# KiCad board Eclipse65.kicad_pcb (continued)
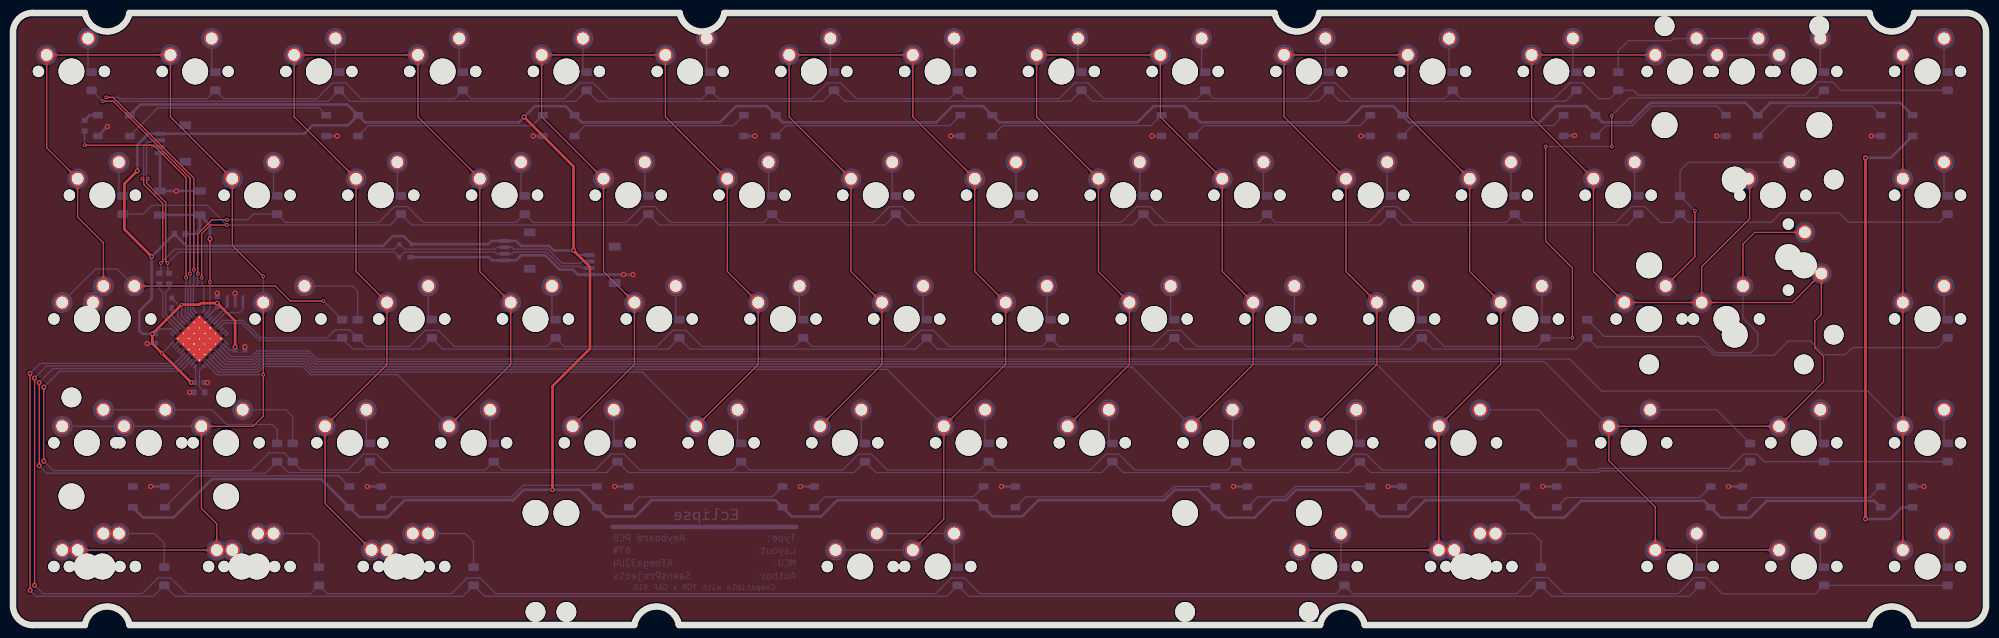
[diagram p0: board, top side]
## Copper pours and planes (outline as drawn; the poured copper is in the pictures) (continued)
C2 on Top: 106.82,32.35 106.75,32.28 106.68,32.22 106.61,32.16 106.54,32.11 106.48,32.07 106.41,32.03 106.35,32 106.29,31.97 106.23,31.94 106.17,31.93 106.11,31.91 106.05,31.9 105.99,31.89 105.93,31.88 105.36,31.84 105.29,31.84 105.21,31.83 105.14,31.81 105.06,31.8 104.98,31.78 104.9,31.75 104.81,31.72 104.78,30.17 106.34,30.2 106.36,30.28 106.39,30.37 106.41,30.45 106.42,30.53 106.44,30.6 106.45,30.67 106.46,30.75 106.49,31.32 106.5,31.37 106.51,31.43 106.52,31.49 106.54,31.55 106.56,31.61 106.58,31.67 106.61,31.74 106.64,31.8 106.68,31.86 106.72,31.93 106.77,32 106.83,32.06 106.89,32.14 106.96,32.21
C2 on Top: 95.78,47.25 95.78,47.35 95.78,47.45 95.79,47.54 95.81,47.62 95.82,47.7 95.84,47.77 95.86,47.84 95.89,47.9 95.91,47.96 95.94,48.01 95.97,48.07 96,48.12 96.04,48.17 96.08,48.22 96.45,48.64 96.5,48.7 96.54,48.76 96.59,48.82 96.63,48.89 96.67,48.96 96.72,49.04 96.76,49.12 95.68,50.24 94.6,49.12 94.64,49.04 94.68,48.96 94.72,48.89 94.77,48.82 94.81,48.76 94.86,48.7 94.9,48.64 95.28,48.22 95.32,48.17 95.35,48.12 95.38,48.07 95.41,48.01 95.44,47.96 95.47,47.9 95.49,47.84 95.51,47.77 95.53,47.7 95.55,47.62 95.56,47.54 95.57,47.45 95.58,47.35 95.58,47.25
C2 on Top: 87.77,32.35 87.7,32.28 87.63,32.22 87.56,32.16 87.49,32.11 87.43,32.07 87.36,32.03 87.3,32 87.24,31.97 87.18,31.94 87.12,31.93 87.06,31.91 87,31.9 86.94,31.89 86.88,31.88 86.31,31.84 86.24,31.84 86.16,31.83 86.09,31.81 86.01,31.8 85.93,31.78 85.85,31.75 85.76,31.72 85.73,30.17 87.29,30.2 87.31,30.28 87.34,30.37 87.36,30.45 87.37,30.53 87.39,30.6 87.4,30.67 87.41,30.75 87.44,31.32 87.45,31.37 87.46,31.43 87.47,31.49 87.49,31.55 87.51,31.61 87.53,31.67 87.56,31.74 87.59,31.8 87.63,31.86 87.67,31.93 87.72,32 87.78,32.06 87.84,32.14 87.91,32.21
C2 on Top: 91.02,66.3 91.02,66.4 91.02,66.5 91.03,66.59 91.04,66.67 91.06,66.75 91.08,66.82 91.1,66.89 91.12,66.95 91.15,67.01 91.18,67.06 91.21,67.12 91.24,67.17 91.28,67.22 91.31,67.27 91.69,67.69 91.74,67.75 91.78,67.81 91.82,67.87 91.87,67.94 91.91,68.01 91.95,68.09 92,68.17 90.92,69.29 89.84,68.17 89.88,68.09 89.92,68.01 89.96,67.94 90.01,67.87 90.05,67.81 90.09,67.75 90.14,67.69 90.52,67.27 90.55,67.22 90.59,67.17 90.62,67.12 90.65,67.06 90.68,67.01 90.71,66.95 90.73,66.89 90.75,66.82 90.77,66.75 90.79,66.67 90.8,66.59 90.81,66.5 90.81,66.4 90.82,66.3
C2 on Top: 93.92,51.26 93.99,51.19 94.05,51.11 94.11,51.05 94.16,50.98 94.2,50.91 94.24,50.85 94.27,50.79 94.3,50.72 94.32,50.66 94.34,50.6 94.36,50.54 94.37,50.48 94.38,50.42 94.39,50.37 94.42,49.8 94.43,49.72 94.44,49.65 94.46,49.58 94.47,49.5 94.49,49.42 94.52,49.33 94.54,49.25 96.1,49.22 96.07,50.77 95.98,50.8 95.9,50.83 95.82,50.85 95.74,50.86 95.67,50.88 95.59,50.89 95.52,50.89 94.95,50.93 94.89,50.94 94.83,50.95 94.77,50.96 94.71,50.98 94.65,50.99 94.59,51.02 94.53,51.05 94.47,51.08 94.4,51.12 94.34,51.16 94.27,51.21 94.2,51.27 94.13,51.33 94.06,51.4
C2 on Top: 100.54,85.35 100.54,85.45 100.55,85.55 100.56,85.64 100.57,85.72 100.58,85.8 100.6,85.87 100.62,85.94 100.65,86 100.67,86.06 100.7,86.11 100.73,86.17 100.77,86.22 100.8,86.27 100.84,86.32 101.22,86.74 101.26,86.8 101.31,86.86 101.35,86.92 101.39,86.99 101.44,87.06 101.48,87.14 101.52,87.22 100.44,88.34 99.36,87.22 99.4,87.14 99.44,87.06 99.49,86.99 99.53,86.92 99.57,86.86 99.62,86.8 99.66,86.74 100.04,86.32 100.08,86.27 100.11,86.22 100.15,86.17 100.18,86.11 100.21,86.06 100.23,86 100.26,85.94 100.28,85.87 100.3,85.8 100.31,85.72 100.32,85.64 100.33,85.55 100.34,85.45 100.34,85.35
C2 on Top: 108.2,70.31 108.28,70.24 108.34,70.16 108.39,70.1 108.44,70.03 108.49,69.96 108.53,69.9 108.56,69.84 108.59,69.77 108.61,69.71 108.63,69.65 108.65,69.59 108.66,69.53 108.67,69.47 108.68,69.42 108.71,68.85 108.72,68.77 108.73,68.7 108.74,68.63 108.76,68.55 108.78,68.47 108.8,68.38 108.83,68.3 110.39,68.27 110.36,69.82 110.27,69.85 110.19,69.88 110.11,69.9 110.03,69.91 109.95,69.93 109.88,69.94 109.81,69.94 109.24,69.98 109.18,69.99 109.12,70 109.06,70.01 109,70.03 108.94,70.04 108.88,70.07 108.82,70.1 108.76,70.13 108.69,70.17 108.63,70.21 108.56,70.26 108.49,70.32 108.42,70.38 108.35,70.45
C2 on Top: 81.49,85.35 81.49,85.45 81.5,85.55 81.51,85.64 81.52,85.72 81.53,85.8 81.55,85.87 81.57,85.94 81.6,86 81.62,86.06 81.65,86.11 81.68,86.17 81.72,86.22 81.75,86.27 81.79,86.32 82.17,86.74 82.21,86.8 82.26,86.86 82.3,86.92 82.34,86.99 82.39,87.06 82.43,87.14 82.47,87.22 81.39,88.34 80.31,87.22 80.35,87.14 80.39,87.06 80.44,86.99 80.48,86.92 80.52,86.86 80.57,86.8 80.61,86.74 80.99,86.32 81.03,86.27 81.06,86.22 81.1,86.17 81.13,86.11 81.16,86.06 81.18,86 81.21,85.94 81.23,85.87 81.25,85.8 81.26,85.72 81.27,85.64 81.28,85.55 81.29,85.45 81.29,85.35
C2 on Top: 89.15,70.31 89.23,70.24 89.29,70.16 89.34,70.1 89.39,70.03 89.44,69.96 89.48,69.9 89.51,69.84 89.54,69.77 89.56,69.71 89.58,69.65 89.6,69.59 89.61,69.53 89.62,69.47 89.63,69.42 89.66,68.85 89.67,68.77 89.68,68.7 89.69,68.63 89.71,68.55 89.73,68.47 89.75,68.38 89.78,68.3 91.34,68.27 91.31,69.82 91.22,69.85 91.14,69.88 91.06,69.9 90.98,69.91 90.9,69.93 90.83,69.94 90.76,69.94 90.19,69.98 90.13,69.99 90.07,70 90.01,70.01 89.95,70.03 89.89,70.04 89.83,70.07 89.77,70.1 89.71,70.13 89.64,70.17 89.58,70.21 89.51,70.26 89.44,70.32 89.37,70.38 89.3,70.45
C2 on Top: 110.07,66.3 110.07,66.4 110.07,66.5 110.08,66.59 110.09,66.67 110.11,66.75 110.13,66.82 110.15,66.89 110.17,66.95 110.2,67.01 110.23,67.06 110.26,67.12 110.29,67.17 110.33,67.22 110.36,67.27 110.74,67.69 110.79,67.75 110.83,67.81 110.87,67.87 110.92,67.94 110.96,68.01 111,68.09 111.05,68.17 109.97,69.29 108.89,68.17 108.93,68.09 108.97,68.01 109.01,67.94 109.06,67.87 109.1,67.81 109.14,67.75 109.19,67.69 109.57,67.27 109.6,67.22 109.64,67.17 109.67,67.12 109.7,67.06 109.73,67.01 109.76,66.95 109.78,66.89 109.8,66.82 109.82,66.75 109.84,66.67 109.85,66.59 109.86,66.5 109.86,66.4 109.87,66.3
C2 on Top: 112.97,51.26 113.04,51.19 113.1,51.11 113.16,51.05 113.21,50.98 113.25,50.91 113.29,50.85 113.32,50.79 113.35,50.72 113.37,50.66 113.39,50.6 113.41,50.54 113.42,50.48 113.43,50.42 113.44,50.37 113.47,49.8 113.48,49.72 113.49,49.65 113.51,49.58 113.52,49.5 113.54,49.42 113.57,49.33 113.59,49.25 115.15,49.22 115.12,50.77 115.03,50.8 114.95,50.83 114.87,50.85 114.79,50.86 114.72,50.88 114.64,50.89 114.57,50.89 114,50.93 113.94,50.94 113.88,50.95 113.82,50.96 113.76,50.98 113.7,50.99 113.64,51.02 113.58,51.05 113.52,51.08 113.45,51.12 113.39,51.16 113.32,51.21 113.25,51.27 113.18,51.33 113.11,51.4
C2 on Top: 83.78,87.84 83.68,87.84 83.58,87.85 83.49,87.86 83.41,87.87 83.33,87.88 83.26,87.9 83.19,87.92 83.13,87.95 83.07,87.97 83.02,88 82.96,88.03 82.91,88.07 82.86,88.1 82.81,88.14 82.39,88.52 82.33,88.56 82.27,88.61 82.21,88.65 82.14,88.69 82.07,88.74 81.99,88.78 81.91,88.82 80.79,87.74 81.91,86.66 81.99,86.7 82.07,86.74 82.14,86.79 82.21,86.83 82.27,86.87 82.33,86.92 82.39,86.96 82.81,87.34 82.86,87.38 82.91,87.41 82.96,87.45 83.02,87.48 83.07,87.51 83.13,87.53 83.19,87.56 83.26,87.58 83.33,87.6 83.41,87.61 83.49,87.62 83.58,87.63 83.68,87.64 83.78,87.64
C2 on Top: 98.05,87.64 98.15,87.64 98.25,87.63 98.34,87.62 98.42,87.61 98.5,87.6 98.57,87.58 98.64,87.56 98.7,87.53 98.76,87.51 98.81,87.48 98.87,87.45 98.92,87.41 98.97,87.38 99.02,87.34 99.44,86.96 99.5,86.92 99.56,86.87 99.62,86.83 99.69,86.79 99.76,86.74 99.84,86.7 99.92,86.66 101.04,87.74 99.92,88.82 99.84,88.78 99.76,88.74 99.69,88.69 99.62,88.65 99.56,88.61 99.5,88.56 99.44,88.52 99.02,88.14 98.97,88.1 98.92,88.07 98.87,88.03 98.81,88 98.76,87.97 98.7,87.95 98.64,87.92 98.57,87.9 98.5,87.88 98.42,87.87 98.34,87.86 98.25,87.85 98.15,87.84 98.05,87.84
C2 on Bottom: 103.44,32.21 103.51,32.14 103.58,32.06 103.63,32 103.68,31.93 103.73,31.86 103.76,31.8 103.8,31.74 103.82,31.67 103.85,31.61 103.87,31.55 103.88,31.49 103.9,31.43 103.91,31.37 103.91,31.32 103.95,30.75 103.96,30.67 103.97,30.6 103.98,30.53 104,30.45 104.02,30.37 104.04,30.28 104.07,30.2 105.63,30.17 105.6,31.72 105.51,31.75 105.43,31.78 105.34,31.8 105.27,31.81 105.19,31.83 105.12,31.84 105.05,31.84 104.48,31.88 104.42,31.89 104.36,31.9 104.3,31.91 104.24,31.93 104.18,31.94 104.12,31.97 104.06,32 103.99,32.03 103.93,32.07 103.86,32.11 103.8,32.16 103.73,32.22 103.66,32.28 103.58,32.35
C2 on Bottom: 102.88,32.77 102.97,32.68 103.06,32.58 103.13,32.49 103.2,32.4 103.26,32.31 103.31,32.22 103.35,32.14 103.38,32.06 103.41,31.97 103.44,31.89 103.46,31.81 103.48,31.73 103.49,31.65 103.5,31.57 103.5,31.49 103.51,31.41 103.52,30.99 103.53,30.9 103.53,30.8 103.54,30.71 103.56,30.61 103.57,30.51 103.59,30.4 103.62,30.3 103.65,30.18 103.69,30.06 105.77,30.02 105.73,32.1 105.61,32.14 105.5,32.17 105.39,32.2 105.28,32.22 105.18,32.24 105.08,32.25 104.99,32.26 104.9,32.27 104.8,32.27 104.38,32.28 104.3,32.29 104.22,32.3 104.14,32.3 104.06,32.32 103.98,32.33 103.9,32.35 103.82,32.38 103.74,32.41 103.65,32.44 103.57,32.49 103.48,32.54 103.39,32.6 103.3,32.66 103.21,32.74 103.12,32.82 103.02,32.92
C3 on Top: 143.4,28.2 143.4,28.3 143.41,28.4 143.42,28.49 143.43,28.57 143.45,28.65 143.47,28.72 143.49,28.79 143.51,28.85 143.54,28.91 143.57,28.96 143.6,29.02 143.63,29.07 143.66,29.12 143.7,29.17 144.08,29.59 144.12,29.65 144.17,29.71 144.21,29.77 144.26,29.84 144.3,29.91 144.34,29.99 144.38,30.07 143.3,31.19 142.22,30.07 142.26,29.99 142.31,29.91 142.35,29.84 142.39,29.77 142.44,29.71 142.48,29.65 142.53,29.59 142.9,29.17 142.94,29.12 142.98,29.07 143.01,29.02 143.04,28.96 143.07,28.91 143.09,28.85 143.12,28.79 143.14,28.72 143.16,28.65 143.17,28.57 143.19,28.49 143.2,28.4 143.2,28.3 143.2,28.2
C3 on Top: 140.16,13.3 140.09,13.23 140.01,13.17 139.95,13.11 139.88,13.06 139.81,13.02 139.75,12.98 139.69,12.95 139.62,12.92 139.56,12.89 139.5,12.88 139.44,12.86 139.38,12.85 139.32,12.84 139.27,12.83 138.7,12.79 138.62,12.79 138.55,12.78 138.48,12.76 138.4,12.75 138.32,12.73 138.23,12.7 138.15,12.67 138.12,11.12 139.67,11.15 139.7,11.23 139.73,11.32 139.75,11.4 139.76,11.48 139.78,11.55 139.79,11.62 139.79,11.7 139.83,12.27 139.84,12.32 139.85,12.38 139.86,12.44 139.88,12.5 139.89,12.56 139.92,12.62 139.95,12.69 139.98,12.75 140.02,12.81 140.06,12.88 140.11,12.95 140.17,13.01 140.23,13.09 140.3,13.16
C3 on Top: 152.93,47.25 152.93,47.35 152.93,47.45 152.94,47.54 152.96,47.62 152.97,47.7 152.99,47.77 153.01,47.84 153.04,47.9 153.06,47.96 153.09,48.01 153.12,48.07 153.15,48.12 153.19,48.17 153.23,48.22 153.6,48.64 153.65,48.7 153.69,48.76 153.74,48.82 153.78,48.89 153.82,48.96 153.87,49.04 153.91,49.12 152.83,50.24 151.75,49.12 151.79,49.04 151.83,48.96 151.87,48.89 151.92,48.82 151.96,48.76 152.01,48.7 152.05,48.64 152.43,48.22 152.47,48.17 152.5,48.12 152.53,48.07 152.56,48.01 152.59,47.96 152.62,47.9 152.64,47.84 152.66,47.77 152.68,47.7 152.7,47.62 152.71,47.54 152.72,47.45 152.73,47.35 152.73,47.25
C3 on Top: 144.92,32.35 144.85,32.28 144.78,32.22 144.71,32.16 144.64,32.11 144.58,32.07 144.51,32.03 144.45,32 144.39,31.97 144.33,31.94 144.27,31.93 144.21,31.91 144.15,31.9 144.09,31.89 144.03,31.88 143.46,31.84 143.39,31.84 143.31,31.83 143.24,31.81 143.16,31.8 143.08,31.78 143,31.75 142.91,31.72 142.88,30.17 144.44,30.2 144.46,30.28 144.49,30.37 144.51,30.45 144.52,30.53 144.54,30.6 144.55,30.67 144.56,30.75 144.59,31.32 144.6,31.37 144.61,31.43 144.62,31.49 144.64,31.55 144.66,31.61 144.68,31.67 144.71,31.74 144.74,31.8 144.78,31.86 144.82,31.93 144.87,32 144.93,32.06 144.99,32.14 145.06,32.21
C3 on Top: 133.88,47.25 133.88,47.35 133.88,47.45 133.89,47.54 133.91,47.62 133.92,47.7 133.94,47.77 133.96,47.84 133.99,47.9 134.01,47.96 134.04,48.01 134.07,48.07 134.1,48.12 134.14,48.17 134.18,48.22 134.55,48.64 134.6,48.7 134.64,48.76 134.69,48.82 134.73,48.89 134.77,48.96 134.82,49.04 134.86,49.12 133.78,50.24 132.7,49.12 132.74,49.04 132.78,48.96 132.82,48.89 132.87,48.82 132.91,48.76 132.96,48.7 133,48.64 133.38,48.22 133.42,48.17 133.45,48.12 133.48,48.07 133.51,48.01 133.54,47.96 133.57,47.9 133.59,47.84 133.61,47.77 133.63,47.7 133.65,47.62 133.66,47.54 133.67,47.45 133.68,47.35 133.68,47.25
C3 on Top: 125.87,32.35 125.8,32.28 125.73,32.22 125.66,32.16 125.59,32.11 125.53,32.07 125.46,32.03 125.4,32 125.34,31.97 125.28,31.94 125.22,31.93 125.16,31.91 125.1,31.9 125.04,31.89 124.98,31.88 124.41,31.84 124.34,31.84 124.26,31.83 124.19,31.81 124.11,31.8 124.03,31.78 123.95,31.75 123.86,31.72 123.83,30.17 125.39,30.2 125.41,30.28 125.44,30.37 125.46,30.45 125.47,30.53 125.49,30.6 125.5,30.67 125.51,30.75 125.54,31.32 125.55,31.37 125.56,31.43 125.57,31.49 125.59,31.55 125.61,31.61 125.63,31.67 125.66,31.74 125.69,31.8 125.73,31.86 125.77,31.93 125.82,32 125.88,32.06 125.94,32.14 126.01,32.21
C3 on Top: 129.12,66.3 129.12,66.4 129.12,66.5 129.13,66.59 129.14,66.67 129.16,66.75 129.18,66.82 129.2,66.89 129.22,66.95 129.25,67.01 129.28,67.06 129.31,67.12 129.34,67.17 129.38,67.22 129.41,67.27 129.79,67.69 129.84,67.75 129.88,67.81 129.92,67.87 129.97,67.94 130.01,68.01 130.05,68.09 130.1,68.17 129.02,69.29 127.94,68.17 127.98,68.09 128.02,68.01 128.06,67.94 128.11,67.87 128.15,67.81 128.19,67.75 128.24,67.69 128.62,67.27 128.65,67.22 128.69,67.17 128.72,67.12 128.75,67.06 128.78,67.01 128.81,66.95 128.83,66.89 128.85,66.82 128.87,66.75 128.89,66.67 128.9,66.59 128.91,66.5 128.91,66.4 128.92,66.3
C3 on Top: 132.02,51.26 132.09,51.19 132.15,51.11 132.21,51.05 132.26,50.98 132.3,50.91 132.34,50.85 132.37,50.79 132.4,50.72 132.42,50.66 132.44,50.6 132.46,50.54 132.47,50.48 132.48,50.42 132.49,50.37 132.52,49.8 132.53,49.72 132.54,49.65 132.56,49.58 132.57,49.5 132.59,49.42 132.62,49.33 132.64,49.25 134.2,49.22 134.17,50.77 134.08,50.8 134,50.83 133.92,50.85 133.84,50.86 133.77,50.88 133.69,50.89 133.62,50.89 133.05,50.93 132.99,50.94 132.93,50.95 132.87,50.96 132.81,50.98 132.75,50.99 132.69,51.02 132.63,51.05 132.57,51.08 132.5,51.12 132.44,51.16 132.37,51.21 132.3,51.27 132.23,51.33 132.16,51.4
C3 on Top: 119.59,85.35 119.59,85.45 119.6,85.55 119.61,85.64 119.62,85.72 119.63,85.8 119.65,85.87 119.67,85.94 119.7,86 119.72,86.06 119.75,86.11 119.78,86.17 119.82,86.22 119.85,86.27 119.89,86.32 120.27,86.74 120.31,86.8 120.36,86.86 120.4,86.92 120.44,86.99 120.49,87.06 120.53,87.14 120.57,87.22 119.49,88.34 118.41,87.22 118.45,87.14 118.49,87.06 118.54,86.99 118.58,86.92 118.62,86.86 118.67,86.8 118.71,86.74 119.09,86.32 119.13,86.27 119.16,86.22 119.2,86.17 119.23,86.11 119.26,86.06 119.28,86 119.31,85.94 119.33,85.87 119.35,85.8 119.36,85.72 119.37,85.64 119.38,85.55 119.39,85.45 119.39,85.35
C3 on Top: 127.25,70.31 127.33,70.24 127.39,70.16 127.44,70.1 127.49,70.03 127.54,69.96 127.58,69.9 127.61,69.84 127.64,69.77 127.66,69.71 127.68,69.65 127.7,69.59 127.71,69.53 127.72,69.47 127.73,69.42 127.76,68.85 127.77,68.77 127.78,68.7 127.79,68.63 127.81,68.55 127.83,68.47 127.85,68.38 127.88,68.3 129.44,68.27 129.41,69.82 129.32,69.85 129.24,69.88 129.16,69.9 129.08,69.91 129,69.93 128.93,69.94 128.86,69.94 128.29,69.98 128.23,69.99 128.17,70 128.11,70.01 128.05,70.03 127.99,70.04 127.93,70.07 127.87,70.1 127.81,70.13 127.74,70.17 127.68,70.21 127.61,70.26 127.54,70.32 127.47,70.38 127.4,70.45
C3 on Top: 138.64,85.35 138.64,85.45 138.65,85.55 138.66,85.64 138.67,85.72 138.68,85.8 138.7,85.87 138.72,85.94 138.75,86 138.77,86.06 138.8,86.11 138.83,86.17 138.87,86.22 138.9,86.27 138.94,86.32 139.32,86.74 139.36,86.8 139.41,86.86 139.45,86.92 139.49,86.99 139.54,87.06 139.58,87.14 139.62,87.22 138.54,88.34 137.46,87.22 137.5,87.14 137.54,87.06 137.59,86.99 137.63,86.92 137.67,86.86 137.72,86.8 137.76,86.74 138.14,86.32 138.18,86.27 138.21,86.22 138.25,86.17 138.28,86.11 138.31,86.06 138.33,86 138.36,85.94 138.38,85.87 138.4,85.8 138.41,85.72 138.42,85.64 138.43,85.55 138.44,85.45 138.44,85.35
C3 on Top: 146.3,70.31 146.38,70.24 146.44,70.16 146.49,70.1 146.54,70.03 146.59,69.96 146.63,69.9 146.66,69.84 146.69,69.77 146.71,69.71 146.73,69.65 146.75,69.59 146.76,69.53 146.77,69.47 146.78,69.42 146.81,68.85 146.82,68.77 146.83,68.7 146.84,68.63 146.86,68.55 146.88,68.47 146.9,68.38 146.93,68.3 148.49,68.27 148.46,69.82 148.37,69.85 148.29,69.88 148.21,69.9 148.13,69.91 148.05,69.93 147.98,69.94 147.91,69.94 147.34,69.98 147.28,69.99 147.22,70 147.16,70.01 147.1,70.03 147.04,70.04 146.98,70.07 146.92,70.1 146.86,70.13 146.79,70.17 146.73,70.21 146.66,70.26 146.59,70.32 146.52,70.38 146.45,70.45
C3 on Top: 148.17,66.3 148.17,66.4 148.17,66.5 148.18,66.59 148.19,66.67 148.21,66.75 148.23,66.82 148.25,66.89 148.27,66.95 148.3,67.01 148.33,67.06 148.36,67.12 148.39,67.17 148.43,67.22 148.46,67.27 148.84,67.69 148.89,67.75 148.93,67.81 148.97,67.87 149.02,67.94 149.06,68.01 149.1,68.09 149.15,68.17 148.07,69.29 146.99,68.17 147.03,68.09 147.07,68.01 147.11,67.94 147.16,67.87 147.2,67.81 147.24,67.75 147.29,67.69 147.67,67.27 147.7,67.22 147.74,67.17 147.77,67.12 147.8,67.06 147.83,67.01 147.86,66.95 147.88,66.89 147.9,66.82 147.92,66.75 147.94,66.67 147.95,66.59 147.96,66.5 147.96,66.4 147.97,66.3
C3 on Top: 151.07,51.26 151.14,51.19 151.2,51.11 151.26,51.05 151.31,50.98 151.35,50.91 151.39,50.85 151.42,50.79 151.45,50.72 151.47,50.66 151.49,50.6 151.51,50.54 151.52,50.48 151.53,50.42 151.54,50.37 151.57,49.8 151.58,49.72 151.59,49.65 151.61,49.58 151.62,49.5 151.64,49.42 151.67,49.33 151.69,49.25 153.25,49.22 153.22,50.77 153.13,50.8 153.05,50.83 152.97,50.85 152.89,50.86 152.82,50.88 152.74,50.89 152.67,50.89 152.1,50.93 152.04,50.94 151.98,50.95 151.92,50.96 151.86,50.98 151.8,50.99 151.74,51.02 151.68,51.05 151.62,51.08 151.55,51.12 151.49,51.16 151.42,51.21 151.35,51.27 151.28,51.33 151.21,51.4
C3 on Top: 121.88,87.84 121.78,87.84 121.68,87.85 121.59,87.86 121.51,87.87 121.43,87.88 121.36,87.9 121.29,87.92 121.23,87.95 121.17,87.97 121.12,88 121.06,88.03 121.01,88.07 120.96,88.1 120.91,88.14 120.49,88.52 120.43,88.56 120.37,88.61 120.31,88.65 120.24,88.69 120.17,88.74 120.09,88.78 120.01,88.82 118.89,87.74 120.01,86.66 120.09,86.7 120.17,86.74 120.24,86.79 120.31,86.83 120.37,86.87 120.43,86.92 120.49,86.96 120.91,87.34 120.96,87.38 121.01,87.41 121.06,87.45 121.12,87.48 121.17,87.51 121.23,87.53 121.29,87.56 121.36,87.58 121.43,87.6 121.51,87.61 121.59,87.62 121.68,87.63 121.78,87.64 121.88,87.64
C3 on Top: 136.15,87.64 136.25,87.64 136.35,87.63 136.44,87.62 136.52,87.61 136.6,87.6 136.67,87.58 136.74,87.56 136.8,87.53 136.86,87.51 136.91,87.48 136.97,87.45 137.02,87.41 137.07,87.38 137.12,87.34 137.54,86.96 137.6,86.92 137.66,86.87 137.72,86.83 137.79,86.79 137.86,86.74 137.94,86.7 138.02,86.66 139.14,87.74 138.02,88.82 137.94,88.78 137.86,88.74 137.79,88.69 137.72,88.65 137.66,88.61 137.6,88.56 137.54,88.52 137.12,88.14 137.07,88.1 137.02,88.07 136.97,88.03 136.91,88 136.86,87.97 136.8,87.95 136.74,87.92 136.67,87.9 136.6,87.88 136.52,87.87 136.44,87.86 136.35,87.85 136.25,87.84 136.15,87.84
C3 on Bottom: 129.02,11.64 128.92,11.64 128.83,11.65 128.74,11.66 128.66,11.67 128.58,11.68 128.51,11.7 128.44,11.72 128.37,11.75 128.32,11.77 128.26,11.8 128.21,11.83 128.15,11.87 128.11,11.9 128.06,11.94 127.63,12.32 127.57,12.36 127.52,12.41 127.45,12.45 127.39,12.49 127.31,12.54 127.24,12.58 127.16,12.62 126.03,11.54 127.16,10.46 127.24,10.5 127.31,10.54 127.39,10.59 127.45,10.63 127.52,10.67 127.57,10.72 127.63,10.76 128.06,11.14 128.11,11.18 128.15,11.21 128.21,11.25 128.26,11.28 128.32,11.31 128.37,11.33 128.44,11.36 128.51,11.38 128.58,11.4 128.66,11.41 128.74,11.42 128.83,11.43 128.92,11.44 129.02,11.44
C3 on Bottom: 129.82,11.64 129.69,11.64 129.56,11.65 129.44,11.66 129.33,11.68 129.23,11.7 129.13,11.73 129.04,11.76 128.96,11.79 128.88,11.83 128.8,11.86 128.73,11.91 128.66,11.95 128.6,12 128.53,12.05 128.47,12.1 128.41,12.16 128.1,12.45 128.04,12.51 127.97,12.57 127.89,12.63 127.81,12.69 127.73,12.75 127.64,12.81 127.54,12.87 127.44,12.92 127.33,12.98 125.83,11.54 127.33,10.1 127.44,10.16 127.54,10.21 127.64,10.27 127.73,10.33 127.81,10.39 127.89,10.45 127.97,10.51 128.04,10.57 128.1,10.63 128.41,10.92 128.47,10.98 128.53,11.03 128.6,11.08 128.66,11.13 128.73,11.17 128.8,11.22 128.88,11.25 128.96,11.29 129.04,11.32 129.13,11.35 129.23,11.38 129.33,11.4 129.44,11.42 129.56,11.43 129.69,11.44 129.82,11.44
C3 on Bottom: 136.15,11.44 136.25,11.44 136.35,11.43 136.44,11.42 136.52,11.41 136.6,11.4 136.67,11.38 136.74,11.36 136.8,11.33 136.86,11.31 136.91,11.28 136.97,11.25 137.02,11.21 137.07,11.18 137.12,11.14 137.54,10.76 137.6,10.72 137.66,10.67 137.72,10.63 137.79,10.59 137.86,10.54 137.94,10.5 138.02,10.46 139.14,11.54 138.02,12.62 137.94,12.58 137.86,12.54 137.79,12.49 137.72,12.45 137.66,12.41 137.6,12.36 137.54,12.32 137.12,11.94 137.07,11.9 137.02,11.87 136.97,11.83 136.91,11.8 136.86,11.77 136.8,11.75 136.74,11.72 136.67,11.7 136.6,11.68 136.52,11.67 136.44,11.66 136.35,11.65 136.25,11.64 136.15,11.64
C3 on Bottom: 135.35,11.44 135.49,11.44 135.61,11.43 135.73,11.42 135.84,11.4 135.95,11.38 136.04,11.35 136.13,11.32 136.22,11.29 136.3,11.25 136.37,11.22 136.44,11.17 136.51,11.13 136.58,11.08 136.64,11.03 136.7,10.98 136.76,10.92 137.07,10.63 137.14,10.57 137.21,10.51 137.28,10.45 137.36,10.39 137.45,10.33 137.53,10.27 137.63,10.21 137.73,10.16 137.84,10.1 139.34,11.54 137.84,12.98 137.73,12.92 137.63,12.87 137.53,12.81 137.45,12.75 137.36,12.69 137.28,12.63 137.21,12.57 137.14,12.51 137.07,12.45 136.76,12.16 136.7,12.1 136.64,12.05 136.58,12 136.51,11.95 136.44,11.91 136.37,11.86 136.3,11.83 136.22,11.79 136.13,11.76 136.04,11.73 135.95,11.7 135.84,11.68 135.73,11.66 135.61,11.65 135.49,11.64 135.35,11.64
C3 on Bottom: 141.54,32.21 141.61,32.14 141.68,32.06 141.73,32 141.78,31.93 141.83,31.86 141.86,31.8 141.9,31.74 141.92,31.67 141.95,31.61 141.97,31.55 141.98,31.49 142,31.43 142.01,31.37 142.01,31.32 142.05,30.75 142.06,30.67 142.07,30.6 142.08,30.53 142.1,30.45 142.12,30.37 142.14,30.28 142.17,30.2 143.73,30.17 143.7,31.72 143.61,31.75 143.53,31.78 143.44,31.8 143.37,31.81 143.29,31.83 143.22,31.84 143.15,31.84 142.58,31.88 142.52,31.89 142.46,31.9 142.4,31.91 142.34,31.93 142.28,31.94 142.22,31.97 142.16,32 142.09,32.03 142.03,32.07 141.96,32.11 141.9,32.16 141.83,32.22 141.76,32.28 141.68,32.35
C3 on Bottom: 140.98,32.77 141.07,32.68 141.16,32.58 141.23,32.49 141.3,32.4 141.36,32.31 141.41,32.22 141.45,32.14 141.48,32.06 141.51,31.97 141.54,31.89 141.56,31.81 141.58,31.73 141.59,31.65 141.6,31.57 141.6,31.49 141.61,31.41 141.62,30.99 141.63,30.9 141.63,30.8 141.64,30.71 141.66,30.61 141.67,30.51 141.69,30.4 141.72,30.3 141.75,30.18 141.79,30.06 143.87,30.02 143.83,32.1 143.71,32.14 143.6,32.17 143.49,32.2 143.38,32.22 143.28,32.24 143.18,32.25 143.09,32.26 143,32.27 142.9,32.27 142.48,32.28 142.4,32.29 142.32,32.3 142.24,32.3 142.16,32.32 142.08,32.33 142,32.35 141.92,32.38 141.84,32.41 141.75,32.44 141.67,32.49 141.58,32.54 141.49,32.6 141.4,32.66 141.31,32.74 141.22,32.82 141.12,32.92
C4 on Top: 167.22,66.3 167.22,66.4 167.22,66.5 167.23,66.59 167.24,66.67 167.26,66.75 167.28,66.82 167.3,66.89 167.32,66.95 167.35,67.01 167.38,67.06 167.41,67.12 167.44,67.17 167.48,67.22 167.51,67.27 167.89,67.69 167.94,67.75 167.98,67.81 168.02,67.87 168.07,67.94 168.11,68.01 168.15,68.09 168.2,68.17 167.12,69.29 166.04,68.17 166.08,68.09 166.12,68.01 166.16,67.94 166.21,67.87 166.25,67.81 166.29,67.75 166.34,67.69 166.72,67.27 166.75,67.22 166.79,67.17 166.82,67.12 166.85,67.06 166.88,67.01 166.91,66.95 166.93,66.89 166.95,66.82 166.97,66.75 166.99,66.67 167,66.59 167.01,66.5 167.01,66.4 167.02,66.3
C4 on Top: 170.12,51.26 170.19,51.19 170.25,51.11 170.31,51.05 170.36,50.98 170.4,50.91 170.44,50.85 170.47,50.79 170.5,50.72 170.52,50.66 170.54,50.6 170.56,50.54 170.57,50.48 170.58,50.42 170.59,50.37 170.62,49.8 170.63,49.72 170.64,49.65 170.66,49.58 170.67,49.5 170.69,49.42 170.72,49.33 170.74,49.25 172.3,49.22 172.27,50.77 172.18,50.8 172.1,50.83 172.02,50.85 171.94,50.86 171.87,50.88 171.79,50.89 171.72,50.89 171.15,50.93 171.09,50.94 171.03,50.95 170.97,50.96 170.91,50.98 170.85,50.99 170.79,51.02 170.73,51.05 170.67,51.08 170.6,51.12 170.54,51.16 170.47,51.21 170.4,51.27 170.33,51.33 170.26,51.4
C4 on Top: 191.03,47.25 191.03,47.35 191.03,47.45 191.04,47.54 191.06,47.62 191.07,47.7 191.09,47.77 191.11,47.84 191.14,47.9 191.16,47.96 191.19,48.01 191.22,48.07 191.25,48.12 191.29,48.17 191.33,48.22 191.7,48.64 191.75,48.7 191.79,48.76 191.84,48.82 191.88,48.89 191.92,48.96 191.97,49.04 192.01,49.12 190.93,50.24 189.85,49.12 189.89,49.04 189.93,48.96 189.97,48.89 190.02,48.82 190.06,48.76 190.11,48.7 190.15,48.64 190.53,48.22 190.57,48.17 190.6,48.12 190.63,48.07 190.66,48.01 190.69,47.96 190.72,47.9 190.74,47.84 190.76,47.77 190.78,47.7 190.8,47.62 190.81,47.54 190.82,47.45 190.83,47.35 190.83,47.25
C4 on Top: 183.02,32.35 182.95,32.28 182.88,32.22 182.81,32.16 182.74,32.11 182.68,32.07 182.61,32.03 182.55,32 182.49,31.97 182.43,31.94 182.37,31.93 182.31,31.91 182.25,31.9 182.19,31.89 182.13,31.88 181.56,31.84 181.49,31.84 181.41,31.83 181.34,31.81 181.26,31.8 181.18,31.78 181.1,31.75 181.01,31.72 180.98,30.17 182.54,30.2 182.56,30.28 182.59,30.37 182.61,30.45 182.62,30.53 182.64,30.6 182.65,30.67 182.66,30.75 182.69,31.32 182.7,31.37 182.71,31.43 182.72,31.49 182.74,31.55 182.76,31.61 182.78,31.67 182.81,31.74 182.84,31.8 182.88,31.86 182.92,31.93 182.97,32 183.03,32.06 183.09,32.14 183.16,32.21
C4 on Top: 171.98,47.25 171.98,47.35 171.98,47.45 171.99,47.54 172.01,47.62 172.02,47.7 172.04,47.77 172.06,47.84 172.09,47.9 172.11,47.96 172.14,48.01 172.17,48.07 172.2,48.12 172.24,48.17 172.28,48.22 172.65,48.64 172.7,48.7 172.74,48.76 172.79,48.82 172.83,48.89 172.87,48.96 172.92,49.04 172.96,49.12 171.88,50.24 170.8,49.12 170.84,49.04 170.88,48.96 170.92,48.89 170.97,48.82 171.01,48.76 171.06,48.7 171.1,48.64 171.48,48.22 171.52,48.17 171.55,48.12 171.58,48.07 171.61,48.01 171.64,47.96 171.67,47.9 171.69,47.84 171.71,47.77 171.73,47.7 171.75,47.62 171.76,47.54 171.77,47.45 171.78,47.35 171.78,47.25
